# KiCad board 10p_4psw.kicad_pcb
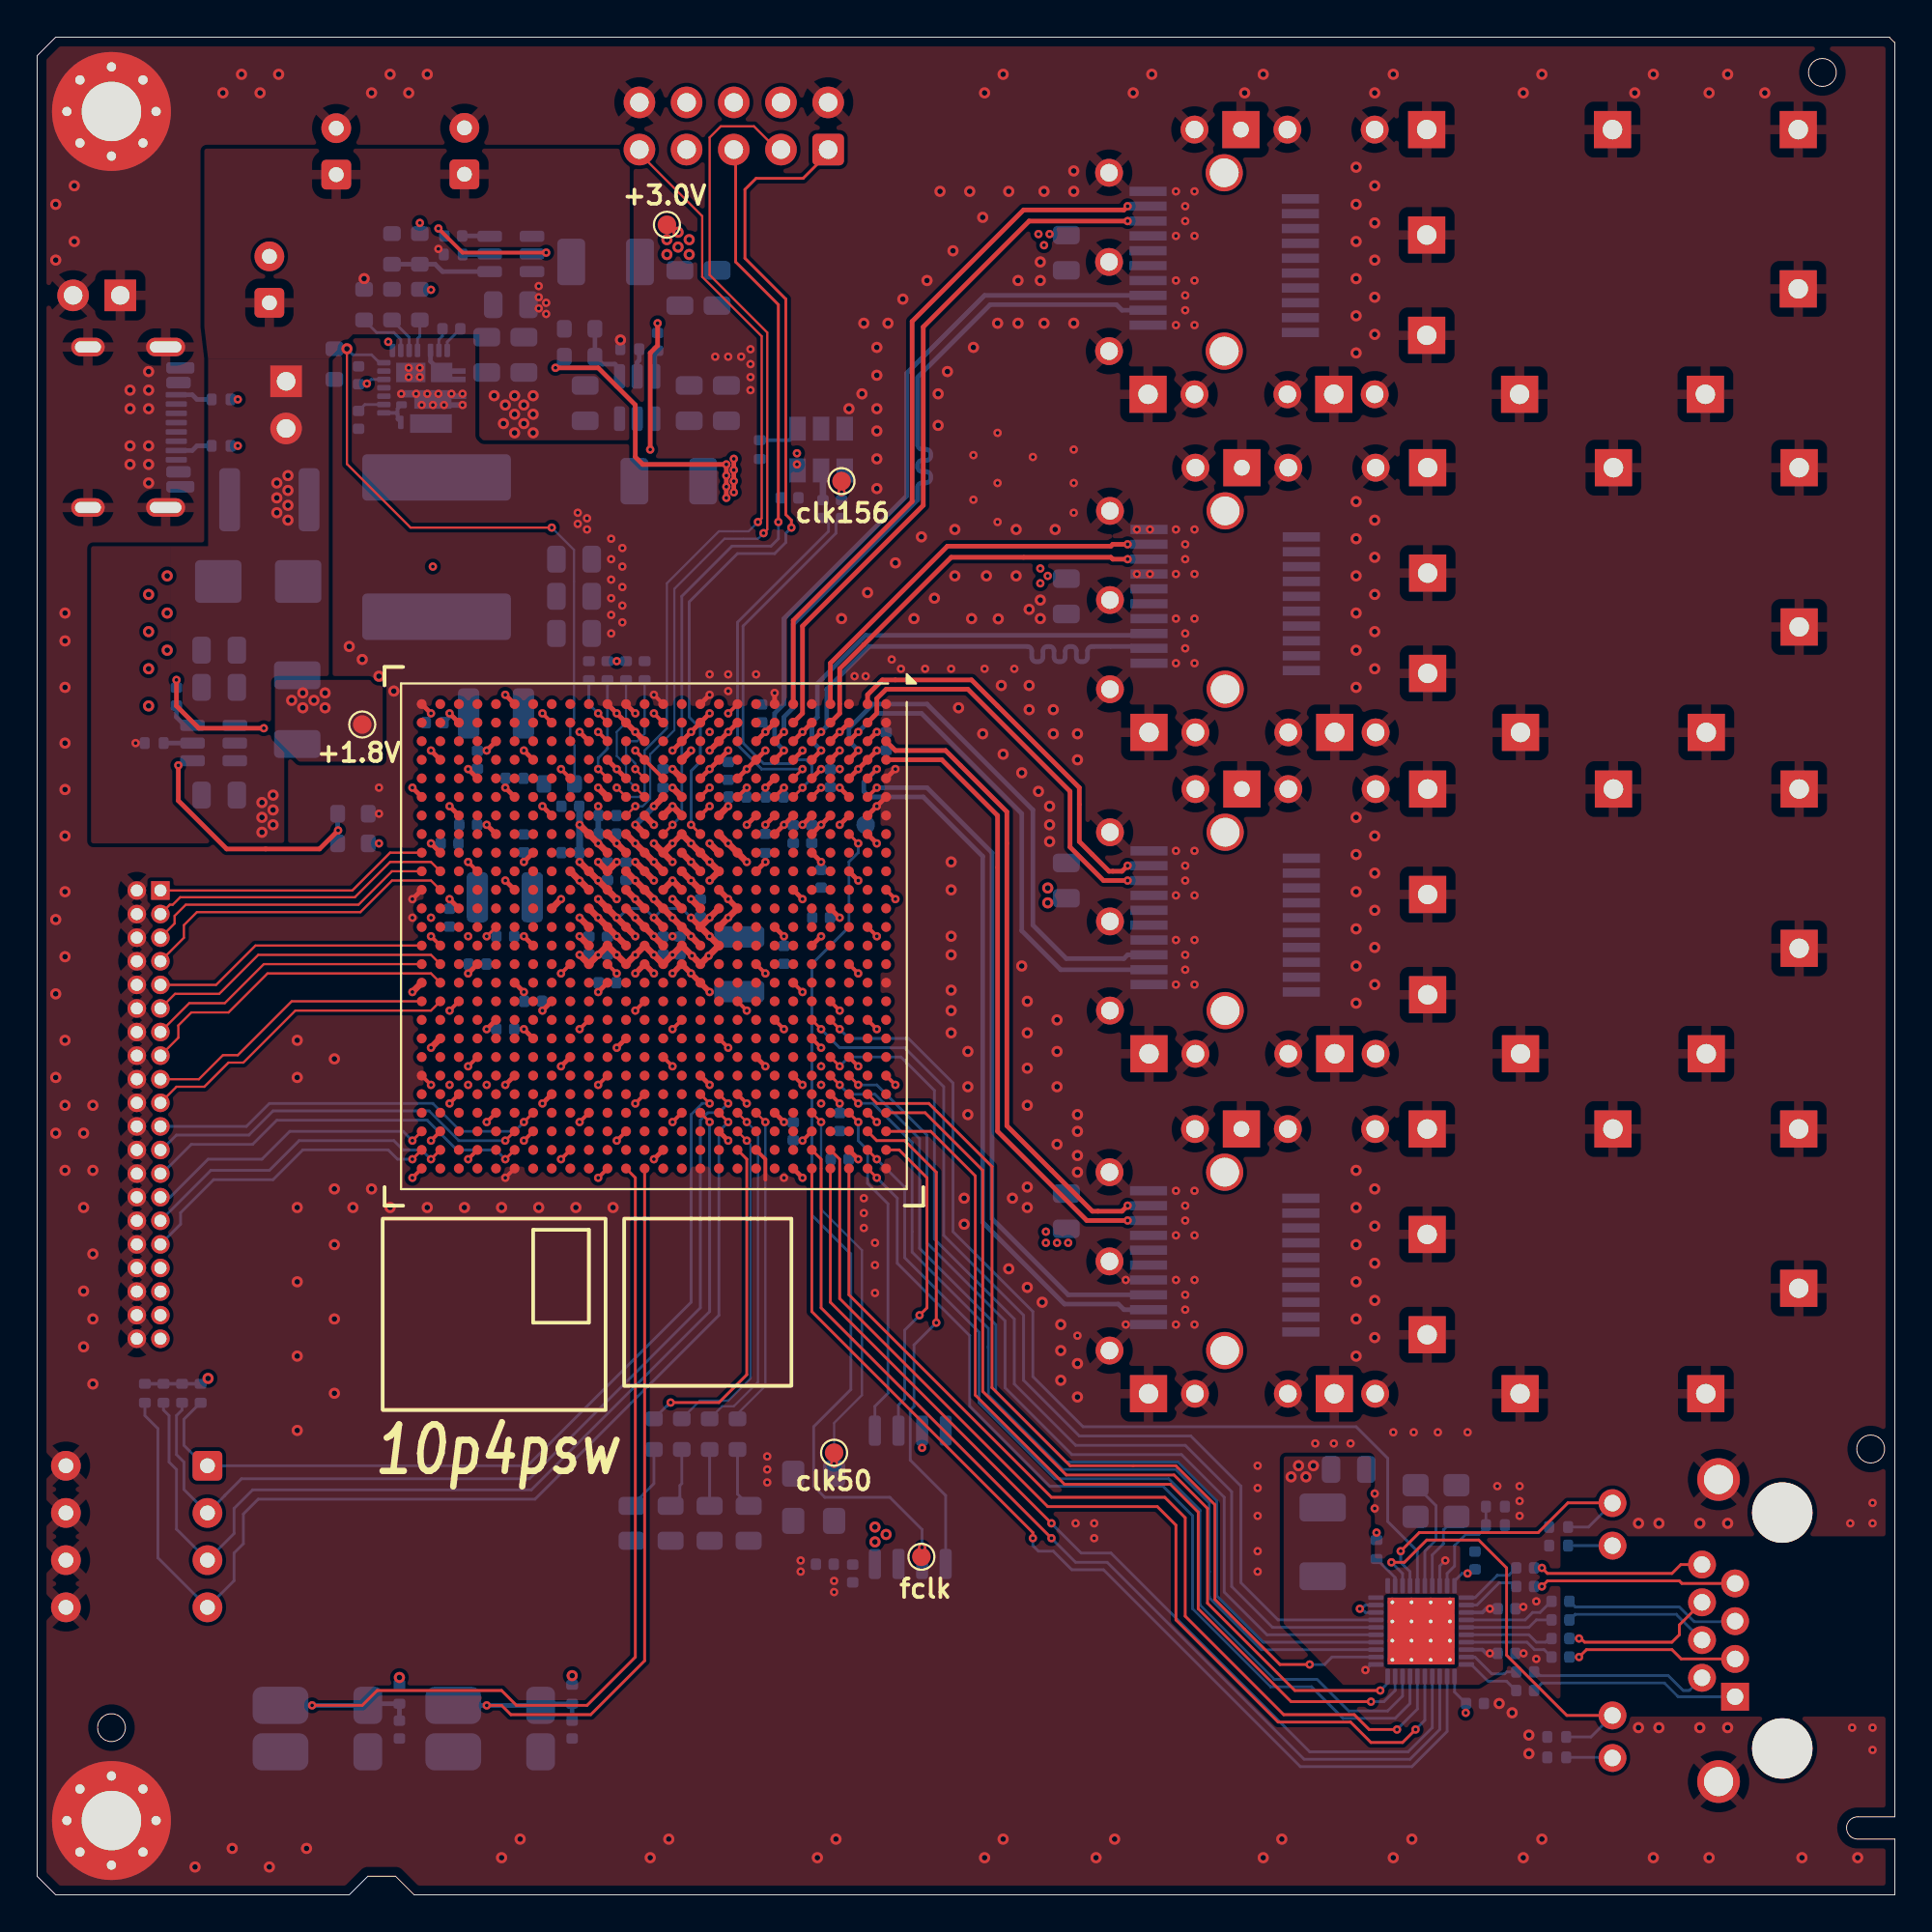
[diagram p0: board, top side]
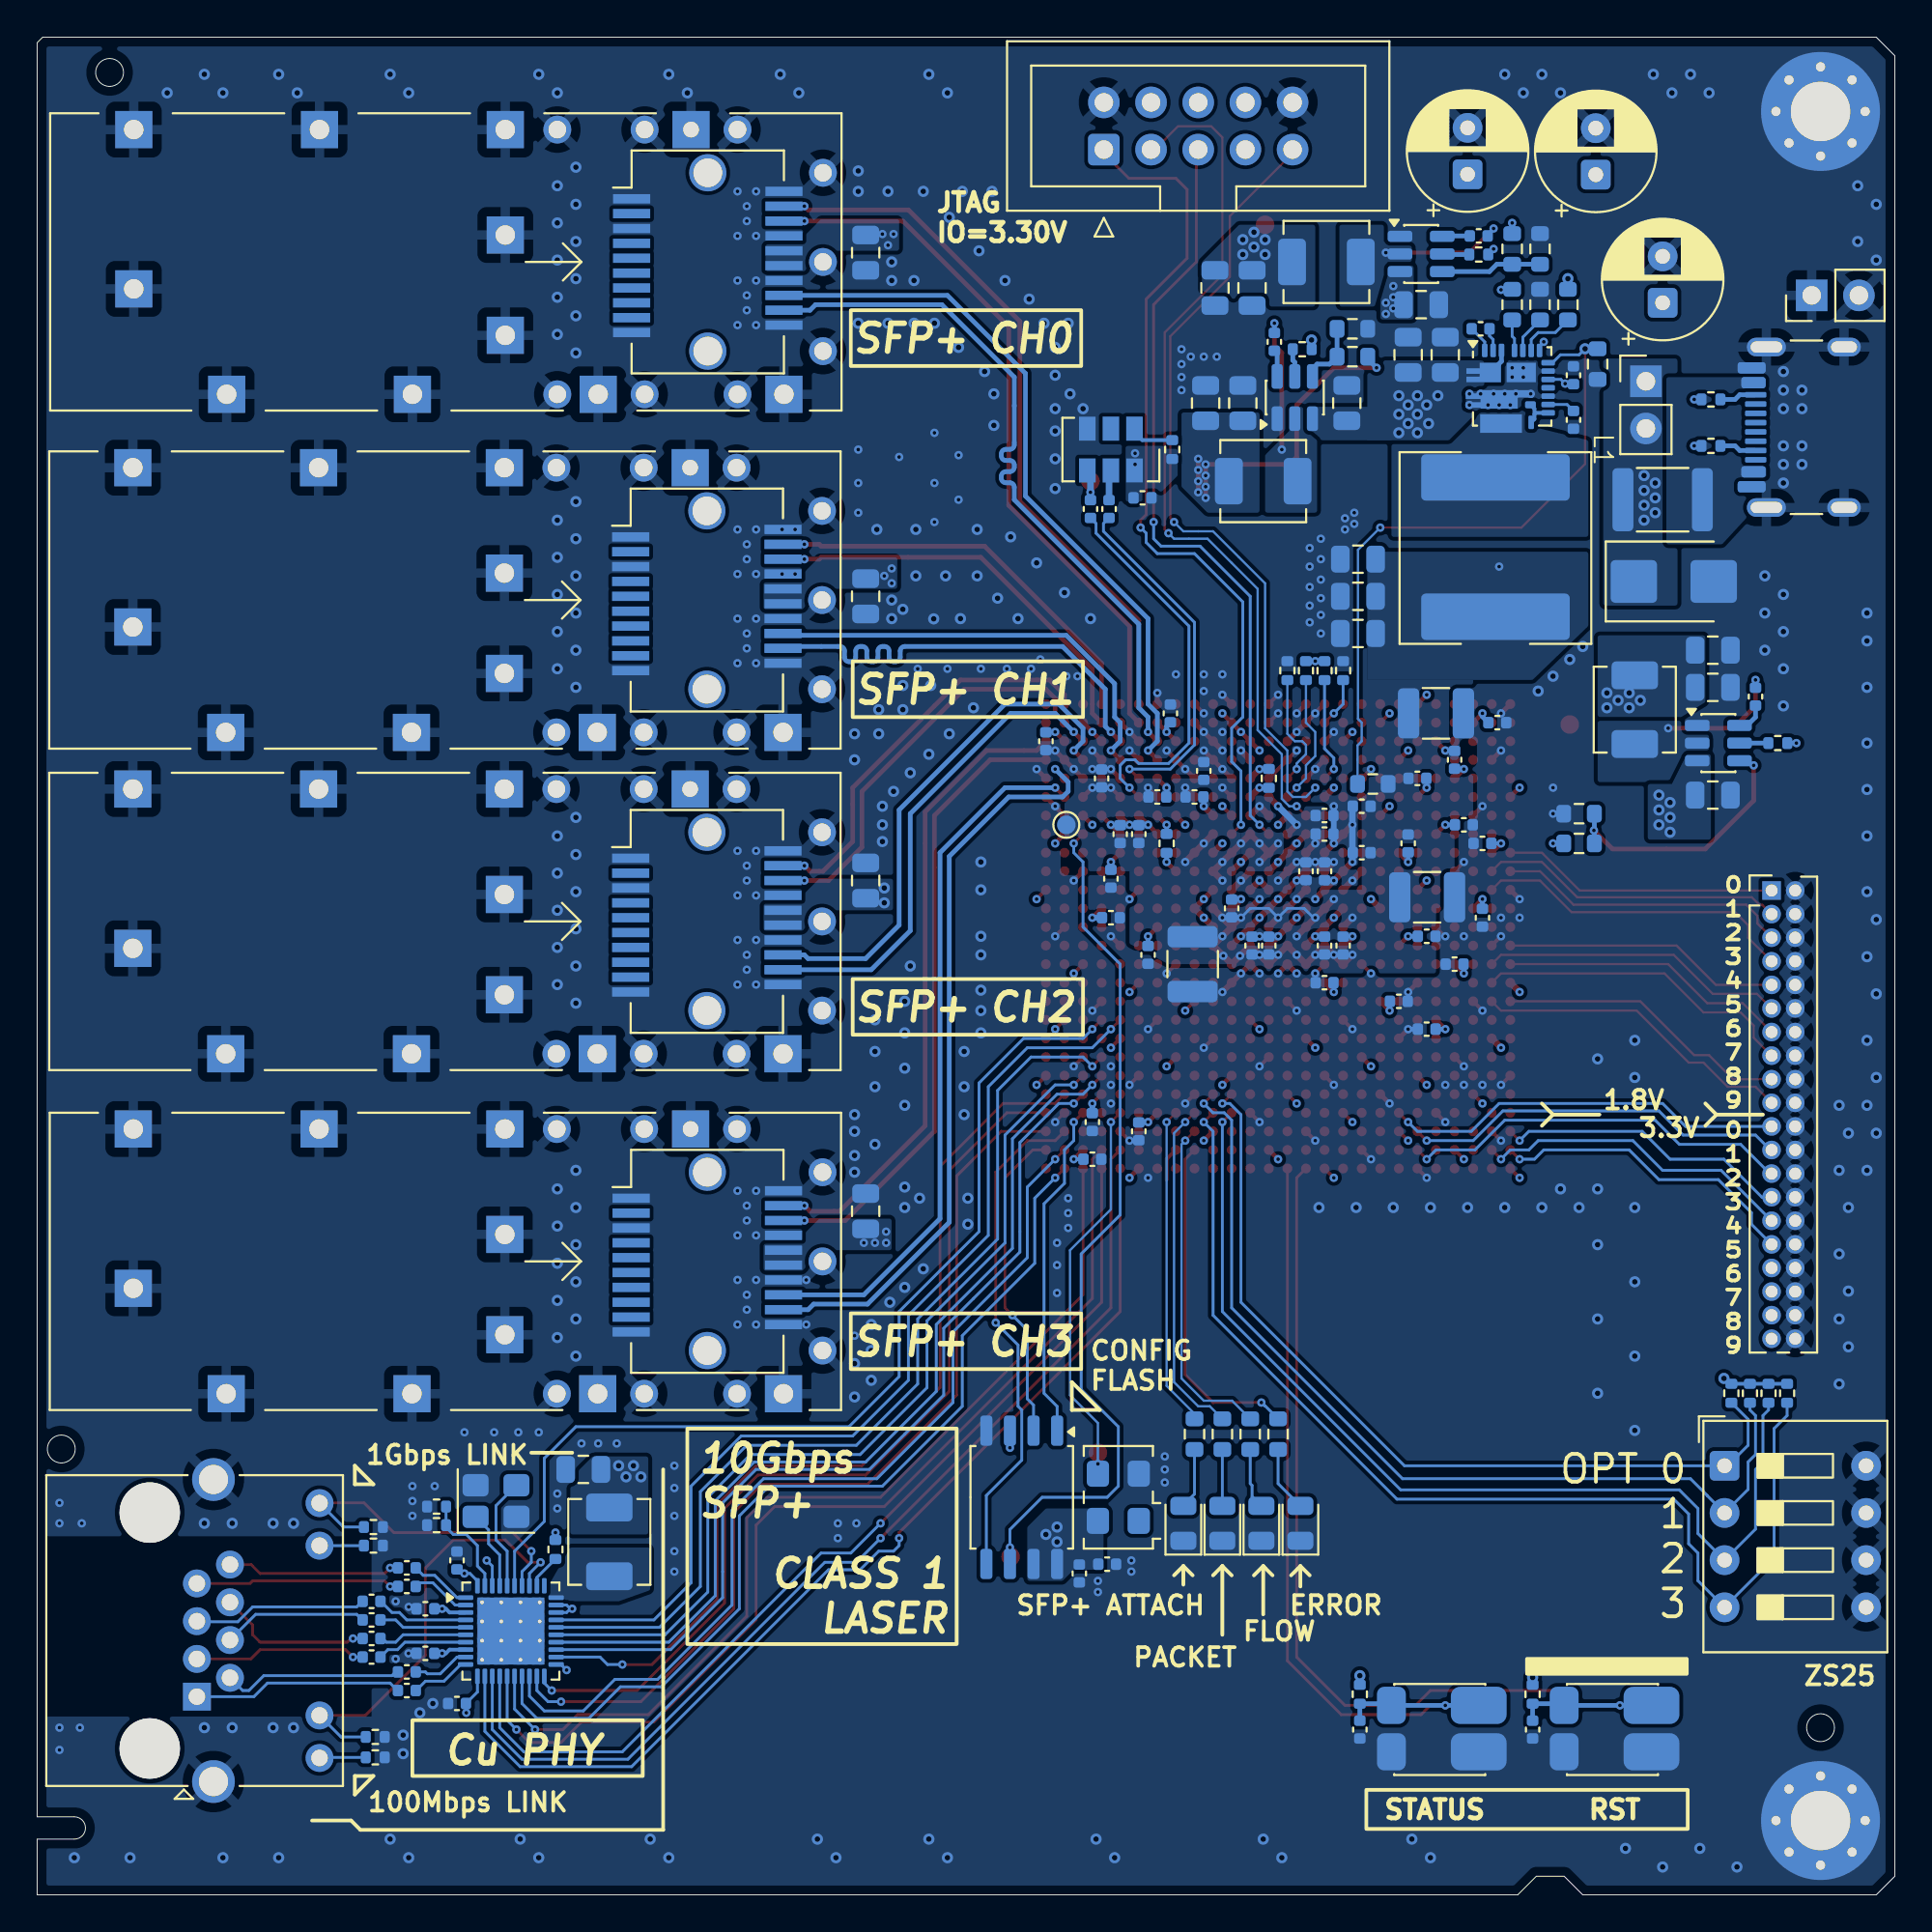
[diagram p1: board, bottom side, seen from below]

Outline 100 x 100 mm; copper layers: Top, In1.Cu, In2.Cu, Bottom. Coordinates in mm from the lower left corner of the outline.
Outline path: circle c4,9 r0.75 ; circle c96.1,98.1 r0.75 ; circle c98.7,24 r0.75 ; 0,99 0,1 1,0 16.8,0 17.8,1 19.3,1 20.3,0 100,0 100,3 98,3 arc(97.4,3.6) 98,4.2 100,4.2 100,99.7 99.7,100 1,100 0,99
Stack: Top 0.035mm / dielectric 0.1mm FR4 er 4.5 / In1.Cu 0.035mm / dielectric 1.24mm FR4 er 4.5 / In2.Cu 0.035mm / dielectric 0.1mm FR4 er 4.5 / Bottom 0.035mm

## Placement (name value [footprint] x y rotation side)
C1  1uF  [C_0402_1005Metric]  35.7 53.1 90 bottom
C2  1uF  [C_0402_1005Metric]  37.2 60.5 90 bottom
C3  1uF  [C_0402_1005Metric]  30.7 51.1 90 bottom
C4  1uF  [C_0402_1005Metric]  29.7 51.1 90 bottom
C5  1uF  [C_0402_1005Metric]  80.1 11 0 bottom
C6  1uF  [C_0402_1005Metric]  80.1 12 0 bottom
C7  1uF  [C_0402_1005Metric]  82 14.8 0 bottom
C8  1uF  [C_0402_1005Metric]  82 12.8 0 bottom
C9  100nF  [C_0402_1005Metric]  43.3 74.6 270 bottom
C10  100nF  [C_0402_1005Metric]  42.3 74.6 270 bottom
C11  1uF  [C_0402_1005Metric]  33.7 51.1 90 bottom
C12  1uF  [C_0402_1005Metric]  34.6 51.1 90 bottom
C13  1uF  [C_0402_1005Metric]  39.7 59.1 180 bottom
C14  10uF  [C_0805_2012Metric]  28.9 69.9 0 bottom
C15  10uF  [C_0805_2012Metric]  28.9 67.9 0 bottom
C16  10uF  [C_0805_2012Metric]  28.9 71.9 0 bottom
C17  1uF  [C_0402_1005Metric]  82 13.8 0 bottom
C18  1uF  [C_0402_1005Metric]  17.3 79.4 270 bottom
C19  1uF  [C_0402_1005Metric]  17.3 81.8 90 bottom
C20  10uF  [C_0805_2012Metric]  26.2 82.9 90 bottom
C21  10uF  [C_0805_2012Metric]  24.2 82.9 90 bottom
C22  1uF  [C_0402_1005Metric]  22.3 84.3 0 bottom
C23  1uF  [C_0402_1005Metric]  25.7 60.1 180 bottom
C24  1uF  [C_0402_1005Metric]  28.7 58.6 0 bottom
C25  1uF  [C_0402_1005Metric]  37.7 59.1 180 bottom
C26  1uF  [C_0402_1005Metric]  42.7 60.1 90 bottom
C27  1uF  [C_0402_1005Metric]  39 63.6 90 bottom
C28  1uF  [C_0402_1005Metric]  23.7 61.1 90 bottom
C29  1uF  [C_0402_1005Metric]  23.2 57.6 180 bottom
C30  1uF  [C_0402_1005Metric]  45.7 62.1 270 bottom
C31  1uF  [C_0402_1005Metric]  26.2 56.6 270 bottom
C32  1uF  [C_0402_1005Metric]  40.7 57.1 90 bottom
C33  1uF  [C_0402_1005Metric]  41.7 57.1 90 bottom
C34  1uF  [C_0402_1005Metric]  28.7 56.1 0 bottom
C35  330uF  [C_1210_3225Metric]  25.17 53.7 180 bottom
C36  1uF  [C_0402_1005Metric]  82 15.8 0 bottom
C37  1uF  [C_0402_1005Metric]  80.1 17.6 0 bottom
C38  1uF  [C_0402_1005Metric]  80.1 16.6 0 bottom
C39  1uF  [C_0402_1005Metric]  79.1 13 0 bottom
C40  1uF  [C_0402_1005Metric]  40.5 75.2 180 bottom
C41  1uF  [C_0402_1005Metric]  42.4 17.8 180 bottom
C42  1uF  [C_0402_1005Metric]  79.1 15.4 0 bottom
C43  1uF  [C_0402_1005Metric]  31.7 55.1 270 bottom
C44  1uF  [C_0402_1005Metric]  30.7 58.1 180 bottom
C45  1uF  [C_0402_1005Metric]  30.7 55.1 270 bottom
C46  1uF  [C_0402_1005Metric]  30.7 57.1 180 bottom
C47  1000uF 6.3V  [CP_Radial_D6.3mm_P2.50mm]  23 92.62 90 bottom
C48  10uF  [C_0805_2012Metric]  29.5 80.3 90 bottom
C49  100nF  [C_0402_1005Metric]  33.4 83.6 90 bottom
C50  100nF  [C_0402_1005Metric]  7.5 64.5 90 bottom
C51  10uF  [C_0805_2012Metric]  35.1 80.3 90 bottom
C52  10uF  [C_0805_2012Metric]  37.1 80.3 90 bottom
C53  10uF  [C_0805_2012Metric]  55.4 54.6 90 bottom
C54  330uF  [C_1210_3225Metric]  24.7 63.6 180 bottom
C55  1000uF  [CP_Radial_D6.3mm_P2.50mm]  12.5 85.7 90 bottom
C56  1000uF 6.3V  [CP_Radial_D6.3mm_P2.50mm]  16.1 92.6 90 bottom
C57  1uF  [C_0402_1005Metric]  21.4 63.1 180 bottom
C58  330uF  [C_1210_3225Metric]  37.8 50.1 270 bottom
C59  10uF  [C_0805_2012Metric]  70.6 22.9 0 bottom
C60  1uF  [C_0402_1005Metric]  77.4 18 90 bottom
C61  1uF  [C_0402_1005Metric]  77.4 10.3 0 bottom
C62  1uF  [C_0402_1005Metric]  43.9 17.3 270 bottom
C70  1uF  [C_0402_1005Metric]  42.2 52.6 180 bottom
C71  1uF  [C_0402_1005Metric]  40.2 50.6 270 bottom
C72  1uF  [C_0402_1005Metric]  42.2 54.7 270 bottom
C79  1uF  [C_0402_1005Metric]  25.2 51.6 180 bottom
C80  10uF  [C_0805_2012Metric]  9.8 65 180 bottom
C81  10uF  [C_0805_2012Metric]  9.8 67 180 bottom
C84  10nF  [C_0402_1005Metric]  19.5 8.9 270 bottom
C85  10nF  [C_0402_1005Metric]  28.8 8.9 270 bottom
C86  10uF  [C_0805_2012Metric]  55.4 88.4 270 bottom
C87  10uF  [C_0805_2012Metric]  55.4 69.9 270 bottom
C88  1uF  [C_0402_1005Metric]  30.7 49.1 0 bottom
C89  1uF  [C_0402_1005Metric]  43.2 41.6 270 bottom
C90  1uF  [C_0402_1005Metric]  40.7 41.1 270 bottom
C91  1uF  [C_0402_1005Metric]  43.2 39.6 180 bottom
C97  10uF  [C_0805_2012Metric]  55.4 36.8 90 bottom
C104  1uF  [C_0402_1005Metric]  22.2 56.6 0 bottom
C105  1uF  [C_0402_1005Metric]  22.2 52.6 270 bottom
C106  1uF  [C_0402_1005Metric]  23.7 50.1 0 bottom
C107  1uF  [C_0402_1005Metric]  26.7 48.1 180 bottom
C108  1uF  [C_0402_1005Metric]  25.2 46.6 0 bottom
C109  10uF  [C_0805_2012Metric]  9.8 59.2 180 bottom
C110  10uF  [C_0805_2012Metric]  25.5 85.6 180 bottom
C111  100nF  [C_0402_1005Metric]  22.4 89.3 180 bottom
C112  10uF  [C_0805_2012Metric]  36.6 86.5 270 bottom
C113  10uF  [C_0805_2012Metric]  34.6 86.5 270 bottom
D1  BRIGHT GREEN  [LED_0805_2012Metric]  38.3 20 90 bottom
D2  BRIGHT GREEN  [LED_0805_2012Metric]  36.2 20 90 bottom
D3  BRIGHT GREEN  [LED_0805_2012Metric]  34.1 20 90 bottom
D4  ES2J  [D_SMB]  11.9 70.7 180 bottom
D5  BRIGHT GREEN  [LED_0805_2012Metric]  32 20 90 bottom
F1  3A  [R_1812_4532Metric]  12.5 75.1 0 bottom
H1  m3  [MountingHole_3.2mm_M3_Pad_Via]  4 4 0 top
H3  m3  [MountingHole_3.2mm_M3_Pad_Via]  4 96 0 top
J1  SFP+  [Connector_SFP_and_Cage]  57.7 87.9 180 bottom
J2  SFP+  [Connector_SFP_and_Cage]  57.75 69.7 180 bottom
J3  USB_C_Receptacle_USB2.0_16P  [USB_C_12pin_usb2only_pwr]  3.81 79 90 bottom
J4  Conn_02x05_Odd_Even  [IDC-Header_2x05_P2.54mm_Vertical]  42.58 93.95 90 bottom
J5  RJ45_LED_Shielded  [RJ45_Amphenol_RJHSE538X]  91.4 10.67 90 bottom
J6  SFP+  [Connector_SFP_and_Cage]  57.72 34.1 180 bottom
J7  tp  [PinHeader_1x02_P2.54mm_Vertical]  13.4 81.47 180 bottom
J8  tp  [PinHeader_1x02_P2.54mm_Vertical]  4.47 86.1 90 bottom
J9  Conn_02x20_Odd_Even  [PinHeader_2x20_P1.27mm_Vertical]  6.64 54.06 180 bottom
J10  SFP+  [Connector_SFP_and_Cage]  57.75 52.4 180 bottom
L1  1uH  [L_1010_largePAD]  21.5 72.5 270 bottom
L2  2.2uH  [L_Sunlord_MWSA0412S]  34 76.1 0 bottom
L3  2.2uH  [L_Sunlord_MWSA0412S]  69.2 19 90 bottom
L5  2.2uH  [L_Sunlord_MWSA0412S]  14 63.8 90 bottom
L6  2.2uH  [L_Sunlord_MWSA0412S]  30.6 87.9 0 bottom
R1  22k  [R_0603_1608Metric]  28.1 59.8 0 bottom
R2  33k  [R_0603_1608Metric]  16 82.4 270 bottom
R3  10k  [R_0402_1005Metric]  6.3 62 180 bottom
R4  100k  [R_0603_1608Metric]  20.6 85.6 270 bottom
R5  100k  [R_0603_1608Metric]  19.1 85.6 90 bottom
R6  100k  [R_0603_1608Metric]  17.6 85.6 270 bottom
R7  5.1k  [R_0402_1005Metric]  78.5 19.9 180 bottom
R8  10k  [R_0402_1005Metric]  31.9 83.2 180 bottom
R9  56k  [R_0603_1608Metric]  29.2 84.3 0 bottom
R10  33k  [R_0603_1608Metric]  29.2 82.8 180 bottom
R11  5.1k  [R_0402_1005Metric]  78.5 20.9 180 bottom
R12  5.1k  [R_0402_1005Metric]  72.1 18.59 90 bottom
R13  5.1k  [R_0402_1005Metric]  81.9 19.8 180 bottom
R14  4.7k  [R_0402_1005Metric]  30.7 65.9 270 bottom
R15  330  [R_0402_1005Metric]  81.9 18.8 0 bottom
R16  4.7k  [R_0402_1005Metric]  29.7 65.9 270 bottom
R17  5.1k  [R_0402_1005Metric]  81.8 8.5 180 bottom
R18  330  [R_0402_1005Metric]  81.8 7.4 0 bottom
R19  1k  [R_0603_1608Metric]  33.2 24.8 90 bottom
R22  4.7k  [R_0402_1005Metric]  32.7 65.9 270 bottom
R23  4.7k  [R_0402_1005Metric]  31.7 65.9 270 bottom
R24  4.7k  [R_0402_1005Metric]  39.2 56.6 90 bottom
R25  100  [R_0402_1005Metric]  33.7 60.1 90 bottom
R27  47k  [R_0603_1608Metric]  17 56.6 0 bottom
R28  33k  [R_0603_1608Metric]  17 58.2 180 bottom
R29  4.7k  [R_0402_1005Metric]  19.5 10.8 270 bottom
R30  4.7k  [R_0402_1005Metric]  28.8 10.8 270 bottom
R31  4.7k  [R_0402_1005Metric]  5.8 27 90 bottom
R32  4.7k  [R_0402_1005Metric]  6.8 27 90 bottom
R33  4.7k  [R_0402_1005Metric]  38.9 77.8 90 bottom
R36  4.7k  [R_0402_1005Metric]  7.8 27 90 bottom
R37  4.7k  [R_0402_1005Metric]  8.8 27 90 bottom
R38  1k  [R_0603_1608Metric]  37.7 24.8 90 bottom
R39  1k  [R_0603_1608Metric]  36.2 24.8 90 bottom
R43  5.1k  [R_0402_1005Metric]  9.9 78 0 bottom
R44  5.1k  [R_0402_1005Metric]  9.9 80.5 0 bottom
R45  10k  [R_0402_1005Metric]  22.4 88.3 180 bottom
R46  10k  [R_0603_1608Metric]  19.1 88.6 270 bottom
R47  33k  [R_0603_1608Metric]  20.6 88.6 90 bottom
R50  1k  [R_0603_1608Metric]  34.7 24.8 90 bottom
SW1  user  [PTS645_btn3225_compat]  24.5 8.9 0 bottom
SW2  NRST  [PTS645_btn3225_compat]  15.2 8.9 0 bottom
SW4  DSWB04  [SW_DIP_SPSTx04_Slide_9.78x12.34mm_W7.62mm_P2.54mm]  9.17 23.1 180 bottom
TP1  TestPoint  [TestPoint_Pad_D1.0mm]  42.9 23.8 0 top
TP2  TestPoint  [TestPoint_Pad_D1.0mm]  44.6 57.6 0 bottom